# Altium PCB PCBrm.PcbDoc (part 1 of 7) (continued)
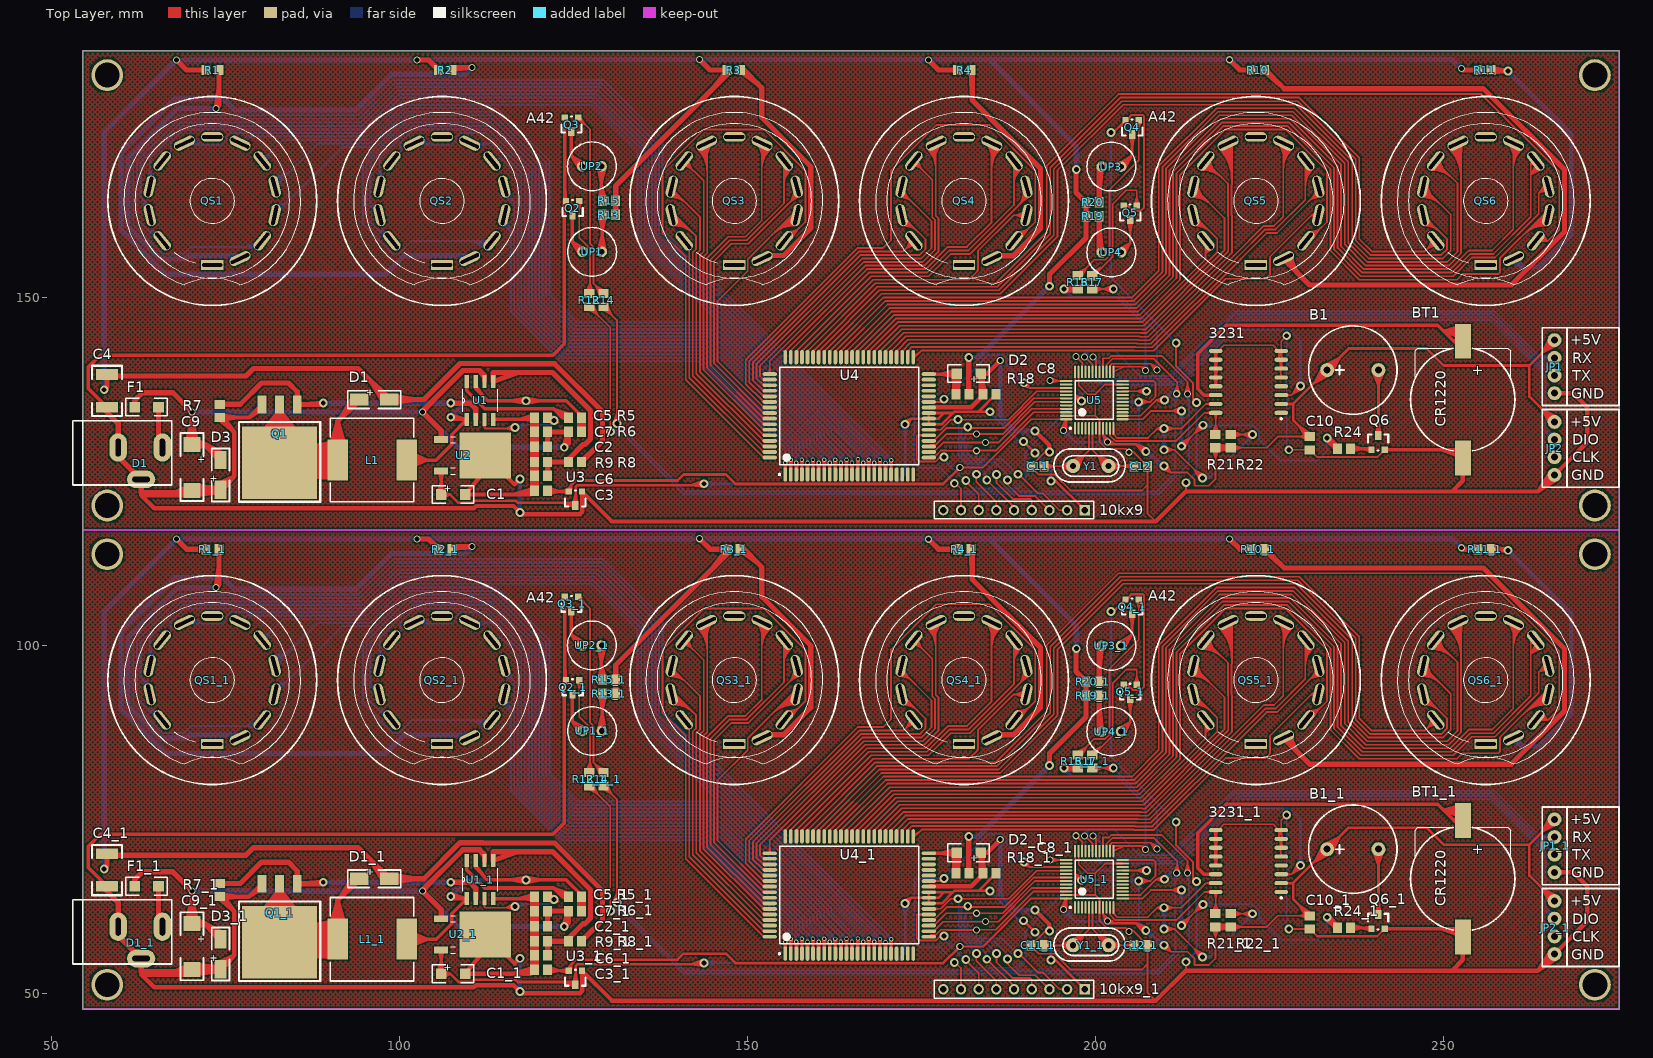
[diagram p0: Top Layer view]
## Nets (pads, with @x,y where several pads share a name; then routed paths per layer and width w, separated by ;. In a path a pad name is that pad's centre, name@x,y a point inside that pad or via, vN(x,y) a via of type N, cw(c..) or ccw(c..) an arc to the next point about the centre after c; other vN are vias at no path point)
BEEP: R24.1 U5.13 | length 148.4
  Top Layer w0.254: U5.13@203.846,132.515 206.749,132.515 207.95,133.716 v1(212.344,133.716) 210.947,133.716 ; U5.13@204.596,132.515 205.508,132.515 ; v1@212.04,129.043 213.503,129.82 ; v1@212.177,128.827 213.503,129.82 ; v1@212.252,133.216 210.947,133.716 ; v1@212.252,134.215 210.947,133.716 ; v1@212.321,133.463 210.947,133.716 ; v1@212.321,133.969 210.947,133.716 ; v1@212.539,128.473 213.503,129.82 ; v1@212.757,128.34 213.503,129.82 ; v1@215.017,131.971 214.213,130.53 ; v1@215.23,131.83 214.213,130.53 ; v1@215.576,131.46 214.213,130.53 ; v1@215.704,131.239 214.213,130.53 ; v1@232.87,129.465 234.056,128.525 ; v1@232.909,129.426 R24.1@234.237,128.578 ; v1@232.942,129.399 R24.1@234.397,128.62 ; v1@232.956,129.389 R24.1@234.429,128.664 ; v1@233.013,129.354 R24.1@234.491,128.867 ; v1@233.046,129.651 234.056,128.525 ; v1@233.064,129.629 R24.1@234.237,128.578 ; v1@233.069,129.329 R24.1@234.552,129.04 ; v1@233.08,129.614 R24.1@234.397,128.62 ; v1@233.086,129.608 R24.1@234.429,128.664 ; v1@233.112,129.59 R24.1@234.491,128.867 ; v1@233.139,129.575 R24.1@234.552,129.04 ; v1@233.395,130.012 R24.1@234.552,129.04 ; v1@233.417,129.994 R24.1@234.491,128.867 ; v1@233.438,129.973 R24.1@234.429,128.664 ; v1@233.444,129.966 R24.1@234.397,128.62 ; v1@233.458,129.947 R24.1@234.237,128.578 ; v1@233.474,129.921 234.056,128.525 ; v1@233.575,130.193 R24.1@234.552,129.04 ; v1@233.616,130.155 R24.1@234.491,128.867 ; v1@233.653,130.111 R24.1@234.429,128.664 ; v1@233.663,130.098 R24.1@234.397,128.62 ; v1@233.69,130.055 R24.1@234.237,128.578 ; v1@233.717,130 234.056,128.525 ; R24.1@234.3,128.082 v1@233.522,129.494 ; R24.1@234.514,128.223 v1@233.522,129.494 ; R24.1@234.711,128.306 233.248,129.769 v1(233.248,129.804) ; R24.1@234.711,128.406 v1@233.522,129.494 ; R24.1@234.876,128.618 v1@233.522,129.494 ; R24.1@234.997,128.843 v1@233.522,129.494 ; 213.503,129.82 v1(212.344,128.636) 212.344,128.661 215.341,131.658 v1(215.417,131.658) 214.213,130.53 ; v1(233.248,129.804) R24.1@234.429,128.664 ; v1(233.248,129.804) R24.1@234.491,128.867 ; v1(233.248,129.804) R24.1@234.237,128.578 ; v1(233.248,129.804) R24.1@234.552,129.04 ; v1(233.248,129.804) 234.056,128.525 ; v1(233.248,129.804) R24.1@234.397,128.62
  Bottom Layer w0.254: v1@211.843,128.719 212.319,130.033 ; v1@211.843,133.633 212.319,132.318 ; v1@212.091,128.654 212.319,130.033 ; v1@212.091,133.697 212.319,132.318 ; v1@212.596,128.663 212.319,130.033 ; v1@212.596,133.688 212.319,132.318 ; v1@212.842,128.737 212.319,130.033 ; v1@212.842,133.614 212.319,132.318 ; v1(215.417,131.658) 222.451,131.658 223.418,130.691 223.418,129.728 226.568,126.578 231.851,126.578 233.248,127.975 v1(233.248,129.804) ; v1@215.44,131.405 216.814,131.658 ; v1@215.44,131.911 216.814,131.658 ; v1@215.51,131.159 216.814,131.658 ; v1@215.51,132.158 216.814,131.658 ; v1@232.749,129.712 233.248,128.407 ; v1@232.995,129.781 233.248,128.407 ; v1@233.501,129.781 233.248,128.407 ; v1@233.748,129.712 233.248,128.407 ; 212.319,130.033 v1(212.344,128.636) 212.319,128.61 212.319,133.69 v1(212.344,133.716) 212.319,132.318
DOT0: R12.1 U5.28 | length 156.4
  Top Layer w0.254: R12.1@127.031,148.28 128.443,147.503 ; R12.1@127.171,148.494 128.443,147.503 ; R12.1@127.254,148.692 130.251,145.694 130.251,130.719 v1(130.302,130.719) ; R12.1@127.354,148.692 128.443,147.503 ; R12.1@127.567,148.856 128.443,147.503 ; R12.1@127.792,148.978 128.443,147.503 ; U5.28@201.046,139.315 201.046,141.28 201.909,141.28 202.244,141.615 209.474,141.615 213.182,137.907 v2(213.182,136.154) ; U5.28@201.046,140.065 201.046,140.977 ; v2@212.806,136.211 213.182,137.424 v2@213.559,136.211
  Bottom Layer w0.254: v1(130.302,130.719) 131.835,130.719 140.812,121.742 209.057,121.742 213.182,125.867 ; v1@130.325,130.466 131.699,130.719 ; v1@130.325,130.972 131.699,130.719 ; v1@130.394,130.219 131.699,130.719 ; v1@130.394,131.218 131.699,130.719 ; v2@212.816,136.048 213.36,134.855 ; v2(213.182,136.154) 213.36,134.855 ; 213.36,125.842 v2@213.36,136.129 ; v2@213.563,136.15 213.36,134.855
DOT1: R14.1 U5.27 | length 150.8
  Top Layer w0.254: R14.1@129.063,148.28 130.475,147.503 ; R14.1@129.203,148.494 130.475,147.503 ; R14.1@129.286,148.692 131.216,146.761 v1(131.216,131.912) ; R14.1@129.386,148.692 130.475,147.503 ; R14.1@129.599,148.856 130.475,147.503 ; R14.1@129.824,148.978 130.475,147.503 ; v1@130.717,132.005 131.216,133.309 ; v1@130.963,131.935 131.216,133.309 ; v1@131.469,131.935 131.216,133.309 ; v1@131.716,132.005 131.216,133.309 ; U5.27@201.546,139.315 201.546,140.343 ; U5.27@201.546,140.065 201.546,140.343 ; v2@211.26,136.259 211.709,137.453 ; v2@212.012,136.214 211.709,137.453 ; 201.546,140.343 202.413,141.209 208.331,141.209 211.709,137.831 211.709,136.256 v2(211.633,136.18) 211.709,137.453
  Bottom Layer w0.254: v1(131.216,131.912) 140.98,122.149 208.854,122.149 211.633,124.927 ; v2@211.252,136.183 211.43,134.875 ; 211.43,124.953 v2@211.43,136.205 ; v2(211.633,136.18) 211.43,134.875 ; v2@211.997,136.067 211.43,134.875
DOT2: R17.1 U5.26 | length 45.3
  Top Layer w0.254: R17.1@199.492,151.232 v1(202.524,151.232) ; R17.1@199.592,151.232 201.004,151.232 ; R17.1@199.617,150.964 201.004,151.232 ; R17.1@199.617,151.499 201.004,151.232 ; R17.1@199.688,150.718 201.004,151.232 ; R17.1@199.688,151.746 201.004,151.232 ; U5.26@202.046,139.315 202.046,140.268 ; v1@202.432,150.732 201.127,151.232 ; v1@202.432,151.731 201.127,151.232 ; v1@202.501,150.979 201.127,151.232 ; v1@202.501,151.485 201.127,151.232 ; v2@208.506,139.383 207.927,140.495 ; v2@209.039,139.916 207.927,140.495 ; U5.26@202.046,140.065 202.046,140.268 ; U5.26@202.046,140.065 202.046,140.268 ; U5.26@202.046,140.065 202.273,140.495 ; 202.046,140.268 202.273,140.495 ; 202.273,140.495 207.927,140.495 ; 207.927,140.495 v2(208.813,139.609) 207.927,140.495
  Bottom Layer w0.254: v1(202.524,151.232) 208.813,144.943 v2(208.813,139.609) ; v2@208.437,139.666 208.813,140.879 v2@209.19,139.666
DOT3: R16.1 U5.25 | length 88.1
  Top Layer w0.254: v1@195.415,151.737 R16.1@196.862,151.621 ; v1@195.417,151.481 R16.1@196.862,151.621 ; v1@195.421,150.981 R16.1@196.863,150.866 ; v1@195.423,150.725 R16.1@196.863,150.866 ; v1@195.45,151.485 R16.1@196.863,151.429 ; v1@195.454,150.978 R16.1@196.863,151.056 ; v1@195.484,151.739 R16.1@196.863,151.429 ; v1@195.484,151.485 R16.1@196.86,151.242 ; v1@195.486,150.979 R16.1@196.86,151.232 ; v1@195.486,151.485 R16.1@196.86,151.232 ; v1@195.488,150.979 R16.1@196.86,151.242 ; v1@195.492,150.724 R16.1@196.863,151.056 ; v1@195.517,151.48 R16.1@196.863,151.056 ; v1@195.521,150.984 R16.1@196.863,151.429 ; v1@195.549,151.471 R16.1@196.863,150.866 ; v1@195.552,150.994 R16.1@196.862,151.621 ; v1@195.552,151.732 R16.1@196.86,151.242 ; v1@195.556,150.732 R16.1@196.86,151.232 ; v1@195.556,151.731 R16.1@196.86,151.232 ; v1@195.559,150.733 R16.1@196.86,151.242 ; v1@195.616,151.716 R16.1@196.863,151.056 ; v1@195.623,150.75 R16.1@196.863,151.429 ; v1@195.676,151.693 R16.1@196.863,150.866 ; v1@195.683,150.774 R16.1@196.862,151.621 ; R16.1@197.206,151.76 v1@195.897,151.232 ; R16.1@197.217,150.732 v1@195.897,151.232 ; R16.1@197.28,151.514 v1@195.897,151.232 ; R16.1@197.286,150.979 v1@195.897,151.232 ; R16.1@197.309,151.247 v1@195.897,151.232 ; R16.1@197.51,151.232 v1(195.463,151.232) ; 204.029,140.047 U5.25@202.546,139.315 202.546,140.047 206.648,140.047 ; v2@206.832,139.343 206.648,140.047 ; v2(207.162,139.532) 206.648,140.047 ; v2@207.352,139.863 206.648,140.047 ; v1(195.463,151.232) R16.1@196.86,151.242 ; v1(195.463,151.232) R16.1@196.863,151.429 ; v1(195.463,151.232) R16.1@196.863,151.056 ; v1(195.463,151.232) R16.1@196.862,151.621 ; v1(195.463,151.232) R16.1@196.863,150.866
  Bottom Layer w0.254: v1@195.167,150.819 196.571,150.124 ; v1@195.299,151.038 196.571,150.124 ; v1(195.463,151.232) 196.571,150.124 ; v1@195.657,151.396 196.571,150.124 ; v1@195.876,151.528 196.571,150.124 ; v2@206.786,139.59 207.162,140.802 v2@207.539,139.59 ; v2(207.162,139.532) 207.162,145.959 202.997,150.124 196.571,150.124
GND: 3231.5 3231.6 3231.7 3231.8 3231.9 3231.10 3231.11 3231.12 3231.13 BT1.- C1.2 C2.1 C3.1 C4.2 C5.1 C6.1 C7.1 C8.1 C9.2 C10.1 C11.1 C12.1 D1.2 D1.3@59.563,128.448 D2.1 D3.3 JP1.4 JP2.4 Q1.3 Q2.2 Q3.2 Q4.2 Q5.2 Q6.2 R7.1 R9.1 U1.4 U2.3 U3.1 U4.34 U5.8 U5.23 U5.35 U5.47 | length 1007.8
  Top Layer w0.254: v1@193.025,127.823 192.75,127.823 C11.1@190.693,125.766 190.693,125.678 191.81,124.562 194.107,124.562 196.383,122.286 206.649,122.286 207.427,123.063 ; U5.47@195.746,133.015 199.934,133.015 ; U5.35@197.546,139.315 197.546,137.388 198.816,136.118 199.934,136.118 ; U5.23@203.846,137.515 201.331,137.515 199.934,136.118 ; v2(204.8,127.772) 204.292,128.28 201.549,128.28 200.546,129.283 U5.8@200.546,131.215 200.546,132.403 199.934,133.015 ; v2@204.913,128.136 205.445,127.772 C12.1@207.427,125.791 207.427,123.063 ; 208.625,117.831 207.427,119.029 207.427,123.063 ; 3231.13@217.073,137.26 217.245,138.308 3231.13@217.418,137.26 ; 3231.12@217.073,138.502 217.245,137.454 3231.12@217.418,138.502 ; 3231.12@217.072,138.525 3231.13@217.105,137.457 ; 3231.12@217.073,138.53 217.245,139.578 3231.12@217.418,138.53 ; 3231.11@217.073,139.772 217.245,138.724 3231.11@217.418,139.772 ; 3231.11@217.072,139.795 3231.12@217.105,138.727 ; 3231.11@217.073,139.8 217.245,140.848 3231.11@217.418,139.8 ; 3231.10@217.073,141.042 217.245,139.994 3231.10@217.418,141.042 ; 3231.10@217.072,141.065 3231.11@217.105,139.997 ; 3231.10@217.073,141.07 217.245,142.118 3231.10@217.418,141.07 ; 3231.9@217.073,142.312 3231.10@217.245,141.264 ; 3231.9@217.072,142.335 3231.10@217.105,141.267 ; 3231.12@217.076,138.48 3231.13@217.385,137.457 ; 3231.11@217.076,139.75 3231.12@217.385,138.727 ; 3231.10@217.076,141.02 3231.11@217.385,139.997 ; 3231.9@217.076,142.29 3231.10@217.385,141.267 ; 3231.13@217.245,137.246 3231.12@217.245,138.516 ; 3231.12@217.414,138.48 3231.13@217.105,137.457 ; 3231.11@217.414,139.75 3231.12@217.105,138.727 ; 3231.10@217.414,141.02 3231.11@217.105,139.997 ; 3231.9@217.414,142.29 3231.10@217.105,141.267 ; 3231.12@217.418,138.525 3231.13@217.385,137.457 ; 3231.11@217.418,139.795 3231.12@217.385,138.727 ; 3231.10@217.418,141.065 3231.11@217.385,139.997 ; 3231.9@217.418,142.312 3231.10@217.245,141.264 ; 3231.9@217.418,142.335 3231.10@217.385,141.267 ; 3231.6@226.473,139.772 3231.5@226.645,138.724 ; 3231.6@226.473,139.8 226.645,140.848 3231.6@226.818,139.8 ; 3231.7@226.472,141.065 226.505,139.997 3231.7@226.814,141.02 ; 3231.8@226.476,142.292 226.797,141.14 3231.8@226.645,142.326 226.645,143.724 v1(227.432,144.511) ; 3231.8@226.477,142.368 226.32,141.381 ; 3231.7@226.645,141.056 226.32,141.381 ; v1(227.736,128.128) 230.749,128.128 C10.1@230.759,128.118 ; 199.934,133.015 199.934,136.118 ; 3231.13@217.105,137.457 3231.12@217.245,138.516 ; 3231.12@217.105,138.727 3231.11@217.245,139.786 ; 3231.11@217.105,139.997 3231.10@217.245,141.056 ; 3231.10@217.105,141.267 3231.9@217.245,142.326 ; 3231.12@217.245,138.516 3231.13@217.385,137.457 ; 3231.12@217.245,138.516 3231.11@217.245,139.786 ; 3231.11@217.245,139.786 3231.12@217.385,138.727 ; 3231.11@217.245,139.786 3231.10@217.245,141.056 ; 3231.10@217.245,141.056 3231.11@217.385,139.997 ; 3231.10@217.245,141.056 3231.9@217.245,142.326 ; 3231.10@217.245,141.264 3231.9@217.245,142.326 ; 3231.9@217.245,142.326 3231.10@217.385,141.267 ; 3231.9@217.245,142.326 217.57,142.326 218.404,143.161 225.486,143.161 226.32,142.326 226.32,141.381
  Top Layer w0.305: v1(202.197,173.708) 202.197,173.365 Q4.2@204.279,175.448 ; 203.176,174.344 Q4.2@204.473,175.212 ; Q5.2@204,163.231 204.56,163.231 205.322,162.469 206.489,162.469 206.946,162.927 206.946,176.031 206.768,176.21 205.041,176.21 Q4.2@204.523,175.265 ; v1(211.557,143.469) 211.557,140.143 213.995,137.705 213.995,135.418 v1(214.478,134.935) ; 212.928,122.133 212.979,122.133 212.954,122.159 v1(212.954,123.403) ; C10.1@230.759,128.118 231.8,127.076 240.439,127.076 Q6.2@241.516,128.153
  Top Layer w0.508: C4.2@57.963,134.239 55.296,136.906 55.296,140.03 56.982,141.717 122.022,141.717 123.647,143.342 123.647,163.98 123.711,164.043 123.711,175.829 Q3.2@123.736,175.854 123.711,173.873 ; U1.4@113.462,132.484 119.093,132.484 C5.1@119.36,132.751 ; R9.1@118.965,126.511 C2.1@119.36,128.649 ; R9.1@118.965,126.512 C2.1@119.344,128.434 ; C7.1@118.965,130.556 C2.1@119.344,128.634 ; C7.1@118.965,130.557 C2.1@119.36,128.419 ; R9.1@118.966,126.23 C6.1@119.37,124.469 ; R9.1@118.966,126.234 C6.1@119.36,124.379 ; R9.1@118.966,126.316 C6.1@118.976,124.508 ; R9.1@118.966,126.432 C2.1@118.951,128.393 ; C7.1@118.966,130.636 C2.1@118.951,128.675 ; C7.1@118.966,130.751 C5.1@118.966,132.611 ; C7.1@118.966,130.833 C5.1@119.36,132.751 ; C7.1@118.966,130.835 C5.1@119.36,132.651 ; C6.1@118.976,124.228 C3.1@119.37,122.335 ; C6.1@118.976,124.232 C3.1@119.36,122.245 ; C6.1@118.976,124.309 C3.1@118.975,122.371 ; R9.1@118.981,126.591 C2.1@119.739,128.399 ; C7.1@118.981,130.478 C2.1@119.739,128.669 ; C7.1@118.984,130.918 C5.1@119.754,132.611 ; R9.1@118.986,126.145 C6.1@119.763,124.512 ; C6.1@118.992,124.149 C3.1@119.764,122.375 ; C5.1@119.279,133.138 117.118,132.484 ; C6.1@119.37,124.369 C6.1@119.36,124.379 ; C5.1@119.372,132.355 117.118,132.484 ; R9.1@119.735,126.149 C6.1@118.976,124.508 ; C7.1@119.735,130.918 C5.1@118.966,132.611 ; R9.1@119.737,126.596 C2.1@118.951,128.393 ; C7.1@119.737,130.472 C2.1@118.951,128.675 ; C6.1@119.747,124.149 C3.1@118.975,122.371 ; R9.1@119.753,126.321 C6.1@119.763,124.512 ; R9.1@119.754,126.438 C2.1@119.739,128.399 ; R9.1@119.754,126.511 C2.1@119.36,128.649 ; R9.1@119.753,126.518 C2.1@119.344,128.434 ; C7.1@119.753,130.55 C2.1@119.344,128.634 ; C7.1@119.754,130.557 C2.1@119.36,128.419 ; C7.1@119.754,130.63 C2.1@119.739,128.669 ; C7.1@119.753,130.751 C5.1@119.754,132.611 ; C7.1@119.754,130.833 C5.1@119.36,132.751 ; C7.1@119.753,130.835 C5.1@119.36,132.651 ; C6.1@119.764,124.309 C3.1@119.764,122.375 ; 123.647,161.838 Q2.2@123.888,163.866 123.711,165.895 ; Q6.2@241.516,128.153 251.536,128.153 BT1.-@252.507,127.442 ; BT1.-@252.73,126.959 249.634,128.153 BT1.-@252.937,127.831 ; 117.118,132.484 C5.1@119.36,132.751 ; C2.1@118.951,128.393 R9.1@119.36,126.475 ; C2.1@118.951,128.393 R9.1@119.36,126.375 ; C2.1@118.951,128.675 C7.1@119.36,130.593 ; C2.1@118.951,128.675 C7.1@119.36,130.693 ; C5.1@118.966,132.611 C7.1@119.36,130.793 ; C5.1@118.966,132.611 C7.1@119.36,130.693 ; C3.1@118.975,122.371 C6.1@119.37,124.269 ; C3.1@118.975,122.371 C6.1@119.36,124.379 ; C6.1@118.976,124.508 R9.1@119.36,126.275 ; C6.1@118.976,124.508 R9.1@119.36,126.375 ; C2.1@119.344,128.434 R9.1@119.36,126.475 ; C2.1@119.344,128.434 R9.1@119.36,126.375 ; C2.1@119.344,128.634 C7.1@119.36,130.593 ; C2.1@119.344,128.634 C7.1@119.36,130.693 ; C3.1@119.36,122.245 C6.1@119.37,124.269 ; C3.1@119.36,122.245 119.764,124.228 C3.1@119.37,122.335 ; C3.1@119.36,122.245 C6.1@119.36,124.379 ; C6.1@119.36,124.379 R9.1@119.36,126.275 ; C6.1@119.36,124.379 119.753,126.234 C6.1@119.37,124.469 ; C6.1@119.36,124.379 C3.1@119.37,122.335 ; C6.1@119.36,124.379 C3.1@119.764,122.375 ; C6.1@119.36,124.379 R9.1@119.36,126.375 ; R9.1@119.36,126.275 C6.1@119.37,124.469 ; R9.1@119.36,126.275 C6.1@119.763,124.512 ; R9.1@119.36,126.375 C6.1@119.37,124.469 ; R9.1@119.36,126.375 C6.1@119.763,124.512 ; R9.1@119.36,126.375 C2.1@119.739,128.399 ; R9.1@119.36,126.375 C7.1@119.36,130.693 ; R9.1@119.36,126.475 C2.1@119.739,128.399 ; R9.1@119.36,126.475 C2.1@119.36,128.649 ; C2.1@119.36,128.419 C7.1@119.36,130.593 ; C7.1@119.36,130.593 C2.1@119.739,128.669 ; C7.1@119.36,130.693 C5.1@119.36,132.651 ; C7.1@119.36,130.693 C5.1@119.754,132.611 ; C7.1@119.36,130.693 C2.1@119.739,128.669 ; C7.1@119.36,130.693 C5.1@119.36,132.751 ; C7.1@119.36,130.793 C5.1@119.36,132.651 ; C7.1@119.36,130.793 C5.1@119.754,132.611 ; C7.1@119.36,130.793 C5.1@119.36,132.751 ; C3.1@119.37,122.335 C6.1@119.37,124.269 ; C6.1@119.37,124.269 C3.1@119.764,122.375
  Top Layer w0.635: C9.2@69.81,123.002 66.798,121.575 ; C9.2@70.055,122.28 66.798,121.575 ; C9.2@70.13,121.521 66.798,121.575 ; C9.2@70.293,123.042 73.321,122.709 ; C9.2@70.322,121.517 73.309,121.965 ; C9.2@70.389,123.038 73.291,122.333 ; C9.2@70.403,121.524 73.29,122.28 ; C9.2@70.403,123.036 73.29,122.28 ; C9.2@70.416,121.525 73.291,122.333 ; C9.2@70.48,123.022 73.309,121.965 ; C9.2@70.506,121.544 73.321,122.709 ; D3.3@73.982,123.289 76.225,124.318 ; R7.1@74.016,132.523 76.14,130.769 ; D3.3@74.197,122.915 71.487,122.28 ; D3.3@74.23,121.806 71.487,122.28 ; R7.1@74.264,132.434 76.798,132.766 ; R7.1@74.264,133.098 76.798,132.766 ; D3.3@74.27,122.812 76.225,124.318 ; R7.1@74.497,132.98 76.14,130.769 ; D3.3@74.657,122.411 76.225,124.318 ; Q1.3@80.213,133.995 78.349,132.766 ; Q1.3@80.213,134.63 78.349,132.766 ; U2.3@112.319,127.34 116.51,123.149 v1(117.272,123.911) ; U2.3@113.366,126.431 C1.2@109.398,121.702 C3.1@118.816,121.702 ; C3.1@119.293,122.559 116.403,121.702 ; C3.1@119.37,122.235 116.403,121.702 ; C3.1@119.411,121.905 116.403,121.702 ; U4.34@176.064,134.252 182.129,134.252 183.784,135.907 C8.1@183.784,136.129 183.464,136.449 D2.1@183.907,139.038 ; C8.1@183.452,136.209 D2.1@183.464,138.846 ; D2.1@183.464,139.075 184.404,139.075 v2(186.284,140.955) ; C8.1@183.784,136.229 D2.1@183.464,138.846 ; C8.1@184.111,136.29 D2.1@183.464,138.846 ; v1(191.287,130.835) 193.345,128.778 v1(193.345,127.823) ; 212.928,122.133 208.625,117.831 130.49,117.831 U3.1@126.187,122.133 126.251,122.07 126.251,119.23 125.916,118.895 117.513,118.895 v1(117.272,119.136) 116.357,120.051 110.977,120.051 110.66,119.733 64.732,119.733 62.89,121.575 69.475,121.575 69.856,121.956 C9.2@70.18,122.28 74.187,122.28 D3.3@74.27,122.362 ; 212.979,122.133 251.181,122.133 ; BT1.-@252.73,126.959 252.73,123.683 251.181,122.133 ; JP2.4@265.383,124.951 263.566,122.174 JP2.4@266.343,123.991 ; JP1.4@265.913,136.256 268.605,136.256 270.612,134.249 270.612,129.22 JP2.4@265.913,124.521 263.525,122.133 251.181,122.133 ; C9.2@70.305,122.28 73.29,122.28 ; C9.2@70.305,122.28 71.487,122.28 ; C9.2@70.305,122.28 73.291,122.333 ; C9.2@70.305,122.28 71.487,122.28 ; C9.2@70.305,122.28 73.321,122.709 ; C9.2@70.305,122.28 71.487,122.28 ; C9.2@70.305,122.28 73.309,121.965 ; C9.2@70.551,121.558 71.487,122.28 ; C9.2@70.551,121.558 71.487,122.28 ; C9.2@70.551,121.558 71.487,122.28 ; C9.2@70.551,123.002 71.487,122.28 ; C9.2@70.551,123.002 71.487,122.28 ; C9.2@70.551,123.002 71.487,122.28 ; 71.487,122.28 D3.3@74.27,122.362 ; D3.3@74.27,122.362 76.225,124.318 ; 76.14,130.769 74.243,132.766 76.798,132.766 ; 76.225,124.318 76.225,130.683 R7.1@74.143,132.766 78.349,132.766
  Top Layer w0.762: C4.2@57.201,134.29 59.563,131.928 D1.3@59.563,128.448 59.563,127.178 D1.2@62.865,123.876 62.865,121.956 C9.2@69.856,121.956
  Bottom Layer w0.254: v1(227.432,144.511) 227.432,128.433 v1(227.736,128.128)
  Bottom Layer w0.305: v1(202.197,173.708) 202.197,152.888 203.464,151.621 203.464,151.562 v1(211.557,143.469) ; v1(212.954,123.403) 214.478,124.927 v1(214.478,134.935)
  Bottom Layer w0.635: v1(117.272,119.136) v1(117.272,123.911) ; v2(186.284,140.955) 186.284,132.944 188.392,130.835 v1(191.287,130.835)
HVCLK: 10kx9.6 U4.30 U5.40 | length 40
  Top Layer w0.203: U4.30@176.017,131.005 177.749,131.005 179.206,132.461 v1(180.188,132.461) 187.477,132.461 191.532,136.515 U5.40@195.746,136.515 ; U4.30@176.767,131.005 177.652,131.005 ; U4.30@176.784,130.832 177.652,131.005 ; U4.30@176.784,131.177 177.652,131.005 ; v1(182.855,124.612) 182.855,123.546 185.725,120.675 10kx9.6@185.725,119.456
  Bottom Layer w0.203: v1(180.188,132.461) 180.34,132.309 180.34,127.127 v1(182.855,124.612)
HVDIN1: 10kx9.2 U4.25 U5.46 | length 40.9
  Top Layer w0.254: U4.25@176.017,127.005 176.263,127.25 176.997,127.25 177.773,128.026 178.56,128.026 178.595,127.991 v2(182.88,127.991) ; v2@182.88,128.016 185.623,128.016 191.122,133.515 U5.46@195.746,133.515 ; v1(188.849,124.612) 188.951,124.612 191.684,121.879 192.377,121.879 194.801,119.456 10kx9.2@195.885,119.456 ; 194.084,133.515 U5.46@194.996,133.515
  Bottom Layer w0.254: v2(182.88,127.991) 182.88,126.94 183.074,126.746 186.561,126.746 188.745,124.562 189.001,124.562 188.951,124.612 v1(188.849,124.612)
HVDIN2: 10kx9.3 U4.26 U5.45 | length 43.3
  Top Layer w0.254: U4.26@176.017,127.805 176.751,127.805 178.105,129.159 185.969,129.159 190.826,134.015 U5.45@195.746,134.015 ; v1(187.325,123.8) 187.325,123.139 188.991,121.473 191.328,121.473 10kx9.3@193.345,119.456 ; 194.084,134.015 U5.45@194.996,134.015
  Bottom Layer w0.254: v2(184.175,129.184) 181.559,129.184 181.559,127.686 182.905,126.34 185.443,126.34 187.325,124.458 v1(187.325,123.8)
HVDIN3: 10kx9.4 U4.27 U5.43 | length 42.5
  Top Layer w0.254: U4.27@176.017,128.605 176.263,128.85 176.997,128.85 178.525,130.378 v2(182.88,130.378) 186.614,130.378 191.251,135.015 U5.43@195.746,135.015 ; v1@185.903,124.587 185.75,124.435 185.75,123.368 188.051,121.067 190.576,121.067 190.805,120.838 10kx9.4@190.805,119.456 ; 194.084,135.015 U5.43@194.996,135.015
  Bottom Layer w0.254: v2(182.88,130.378) 181.534,130.378 181.127,129.972 181.127,127.453 182.647,125.933 184.402,125.933 v1(185.748,124.587) v1@185.903,124.587
HVDIN4: 10kx9.5 U4.28 U5.42 | length 39.3
  Top Layer w0.254: U4.28@176.017,129.405 176.751,129.405 178.614,131.267 186.842,131.267 191.09,135.515 U5.42@195.746,135.515 ; v1@184.366,123.787 188.265,119.888 10kx9.5@188.265,119.456 ; 194.084,135.515 U5.42@194.996,135.515
  Bottom Layer w0.254: v1(181.61,131.394) 181.127,131.394 180.721,130.988 180.721,127.285 182.479,125.527 183.233,125.527 184.353,124.407 v1(184.353,123.774)
HVLE: 10kx9.7 U4.29 U5.21 | length 72.6
  Top Layer w0.254: U4.29@175.256,130.057 174.289,130.205 ; U4.29@175.256,130.352 174.289,130.205 ; U4.29@175.267,130.205 174.289,130.205 ; U4.29@176.017,130.205 174.289,130.205 ; v1(178.181,127.112) 177.658,127.112 176.997,126.45 174.626,126.45 174.289,126.788 174.289,130.205 ; v1@181.305,123.622 183.185,121.742 10kx9.7@183.185,119.456 ; U5.21@203.846,136.515 203.866,136.535 v1(207.289,136.535) ; U5.21@204.596,136.515 205.509,136.535 ; v1@207.197,136.036 205.892,136.535 ; v1@207.197,137.035 205.892,136.535 ; v1@207.266,136.282 205.892,136.535 ; v1@207.266,136.788 205.892,136.535
  Bottom Layer w0.254: v1(178.181,127.112) 178.181,126.746 181.305,123.622 182.372,122.555 188.824,122.555 189.916,123.647 189.916,127.864 197.028,134.976 197.028,135.492 197.592,136.056 198.108,136.056 198.587,136.535 v1(207.289,136.535) ; v1@207.197,136.036 205.892,136.535 ; v1@207.197,137.035 205.892,136.535 ; v1@207.266,136.282 205.892,136.535 ; v1@207.266,136.788 205.892,136.535
  other v1: 181.331,123.723
HVPOL: 10kx9.8 U4.35 U5.39 | length 61.4
  Top Layer w0.254: U4.35@176.017,135.005 177.819,135.005 v1(178.206,135.392) ; v1@179.883,123.241 179.908,123.241 180.645,122.504 10kx9.8@180.645,119.456 ; v1@189.451,137.319 190.452,137.015 ; v1@189.556,137.554 190.452,137.015 ; v1(189.713,137.754) 190.452,137.015 ; v1@189.913,137.911 190.452,137.015 ; v1@190.148,138.016 190.452,137.015 ; 194.084,137.015 U5.39@194.996,137.015 ; U5.39@195.746,137.015 190.452,137.015
  Bottom Layer w0.254: v1@179.883,123.241 177.622,125.501 174.676,125.501 173.975,126.202 173.975,135.392 v1(178.206,135.392) 184.544,141.729 184.531,141.742 186.61,141.742 187.071,141.281 187.071,140.396 v1(189.713,137.754) ; v1@189.303,137.454 188.539,138.928 ; v1@189.52,137.589 188.539,138.928 ; v1@189.878,137.947 188.539,138.928 ; v1@190.013,138.164 188.539,138.928
  other v1: 179.68,123.317
Net3231_14: 3231.14 BT1.+ | length 75.3
  Top Layer w0.508: 3231.14@216.57,135.976 215.544,135.976 ; 3231.14@217.245,135.976 215.544,135.976 ; BT1.+@252.546,144.196 249.963,145.195 ; BT1.+@252.624,145.963 249.963,145.195 ; BT1.+@252.686,144.688 249.963,145.195 ; BT1.+@252.72,145.461 249.963,145.195 ; BT1.+@252.73,145.073 249.963,145.195 ; 215.544,135.976 214.63,136.891 214.63,141.895 218.77,146.035 249.123,146.035 251.435,143.723 ; 251.435,143.723 BT1.+@252.73,143.723 251.435,143.723 ; 251.435,143.723 252.672,144.107 251.435,143.723 ; 251.435,143.723 252.672,143.34 251.435,143.723 ; 251.435,143.723 252.42,144.564 251.435,143.723 ; 251.435,143.723 252.42,142.883 251.435,143.723
NetB1_2: B1.2 Q6.3 | length 22.8
  Top Layer w0.381: B1.2@239.819,139.43 240.614,137.44 ; B1.2@240.188,139.54 240.614,137.44 ; Q6.3@240.311,130.392 240.614,131.964 ; Q6.3@240.576,130.185 240.614,130.223 B1.2@240.614,139.583 ; Q6.3@240.576,130.363 240.614,131.964 ; Q6.3@240.842,130.379 240.614,131.964 ; B1.2@241.041,139.54 240.614,137.44 ; B1.2@241.409,139.43 240.614,137.44
NetC5_2: C5.2 U1.3 | length 60.1
  Top Layer w0.254: U1.3@112.016,131.836 112.192,131.252 ; U1.3@112.192,131.862 112.192,131.252 ; U1.3@112.192,132.484 112.192,131.252 ; U1.3@112.368,131.836 112.192,131.252 ; v1@116.447,131.821 115.176,131.176 ; v1@116.542,131.583 115.176,131.176 ; v1@116.558,130.828 115.176,131.176 ; v1@116.598,131.081 115.176,131.176 ; C5.2@121.729,132.098 C5.2@121.418,133.249 ; C5.2@121.785,132.013 C5.2@121.301,133.016 ; v1@121.86,131.937 C5.2@121.26,132.751 ; v1@121.954,131.877 C5.2@121.301,132.485 ; v1@121.962,132.791 C5.2@121.418,132.252 ; v1@121.968,132.192 C5.2@121.418,133.249 ; v1@122.002,132.151 C5.2@121.301,133.016 ; v1@122.047,132.116 C5.2@121.26,132.751 ; v1@122.063,131.838 C5.2@121.418,132.252 ; v1@122.101,132.091 C5.2@121.301,132.485 ; v1@122.112,132.577 C5.2@121.418,132.252 ; v1@122.121,132.837 C5.2@121.301,132.485 ; v1@122.164,132.079 C5.2@121.418,132.252 ; v1@122.187,132.586 C5.2@121.301,132.485 ; v1@122.255,132.575 C5.2@121.26,132.751 ; v1@122.267,132.833 C5.2@121.26,132.751 ; v1@122.312,132.549 C5.2@121.301,133.016 ; v1@122.357,132.514 C5.2@121.418,133.249 ; v1@122.392,132.794 C5.2@121.301,133.016 ; v1@122.493,132.733 C5.2@121.418,133.249 ; 112.192,131.252 112.268,131.176 116.434,131.176 v1(116.592,131.335) 115.176,131.176 ; C5.2@121.26,132.751 v1(122.18,132.332) ; C5.2@121.26,132.751 v1@122.123,132.751 ; C5.2@121.301,132.485 v1(122.18,132.332) ; C5.2@121.301,132.485 v1@122.123,132.751 ; C5.2@121.301,133.016 v1(122.18,132.332) ; C5.2@121.301,133.016 v1@122.123,132.751 ; C5.2@121.418,132.252 v1(122.18,132.332) ; C5.2@121.418,132.252 v1@122.123,132.751 ; C5.2@121.418,133.249 v1(122.18,132.332) ; C5.2@121.418,133.249 v1@122.123,132.751 ; v1@122.123,132.751 122.809,132.065 122.447,132.065 v1(122.18,132.332)
  Bottom Layer w0.254: v1@116.55,131.841 118.161,131.722 ; v1@116.551,131.585 118.161,131.722 ; v1@116.672,131.093 118.161,131.722 ; v1@116.79,130.867 118.161,131.722 ; v1(122.18,132.332) 121.57,131.722 116.98,131.722 116.434,131.176 v1(116.592,131.335) 118.161,131.722
NetC6_2: C6.2 R8.2 R9.2 U1.5 | length 42.1
  Top Layer w0.762: 117.021,139.228 U1.5@113.462,137.945 113.462,139.228 ; 113.462,139.228 113.462,138.567 113.462,139.228 ; 113.462,139.228 121.957,139.228 127.421,133.764 127.421,129.68 126.619,128.877 126.34,128.877 124.236,126.773 R8.2@124.236,126.375 R9.2@121.26,126.375 R9.2@121.27,126.365 ; R9.2@121.27,126.365 121.27,124.469 121.26,126.275 C6.2@121.27,124.369 R9.2@121.27,126.365
NetC11_2: C11.2 U5.5 Y1.1 | length 42.7
  Top Layer w0.254: C11.2@192.593,125.766 196.723,125.766 Y1.1@196.748,125.791 ; C11.2@192.619,125.498 194.005,125.766 ; C11.2@192.619,126.033 194.005,125.766 ; C11.2@192.69,125.252 194.005,125.766 ; C11.2@192.69,126.28 194.005,125.766 ; Y1.1@196.26,126.534 198.303,127.346 ; Y1.1@196.369,126.3 198.303,127.346 ; Y1.1@196.503,126.083 198.303,127.346 ; Y1.1@196.514,126.649 194.97,125.766 ; Y1.1@196.539,124.927 194.97,125.766 ; Y1.1@196.626,126.414 194.97,125.766 ; Y1.1@196.644,125.165 194.97,125.766 ; Y1.1@196.702,126.169 194.97,125.766 ; Y1.1@196.713,125.412 194.97,125.766 ; Y1.1@197.04,125.546 198.303,127.346 ; Y1.1@197.258,125.412 198.303,127.346 ; Y1.1@197.491,125.302 198.303,127.346 ; 199.046,129.553 U5.5@199.046,130.465 ; U5.5@199.046,131.215 199.046,128.089 Y1.1@196.748,125.791 ; 194.97,125.766 Y1.1@196.748,125.791
NetC12_2: C12.2 U5.6 Y1.2 | length 41.9
  Top Layer w0.254: 199.546,129.553 U5.6@199.546,130.465 ; U5.6@199.546,131.215 199.546,128.073 Y1.2@201.828,125.791 C12.2@205.527,125.791 204.115,125.791 ; Y1.2@201.086,125.302 200.274,127.346 ; Y1.2@201.319,125.412 200.274,127.346 ; Y1.2@201.537,125.546 200.274,127.346 ; Y1.2@201.869,125.412 203.606,125.791 ; Y1.2@201.869,126.17 203.606,125.791 ; Y1.2@201.942,125.166 203.606,125.791 ; Y1.2@201.942,126.416 203.606,125.791 ; Y1.2@202.051,124.93 203.606,125.791 ; Y1.2@202.051,126.652 203.606,125.791 ; Y1.2@202.073,126.083 200.274,127.346 ; Y1.2@202.208,126.3 200.274,127.346 ; Y1.2@202.317,126.534 200.274,127.346 ; C12.2@205.43,125.277 204.115,125.791 ; C12.2@205.43,126.305 204.115,125.791 ; C12.2@205.501,125.523 204.115,125.791 ; C12.2@205.501,126.059 204.115,125.791
NetD1_1: D1.1@65.913,128.448 F1.1 | length 6.3
  Top Layer w0.762: F1.1@65.354,134.264 65.354,128.549 D1.1@65.735,128.168